# Altium PCB Power Management & Battery Monitor.PcbDoc
Units mm, origin at the board's own origin, x right, y up, seen from the top; angles counter-clockwise.
Board outline 190 x 70 mm, 4 copper layers (L1 (Signal), L2 (GND), L3 (GND), L4 (Signal)), stack 1.369 mm thick; 64 components, 30 nets, 191 pads, 66 vias.
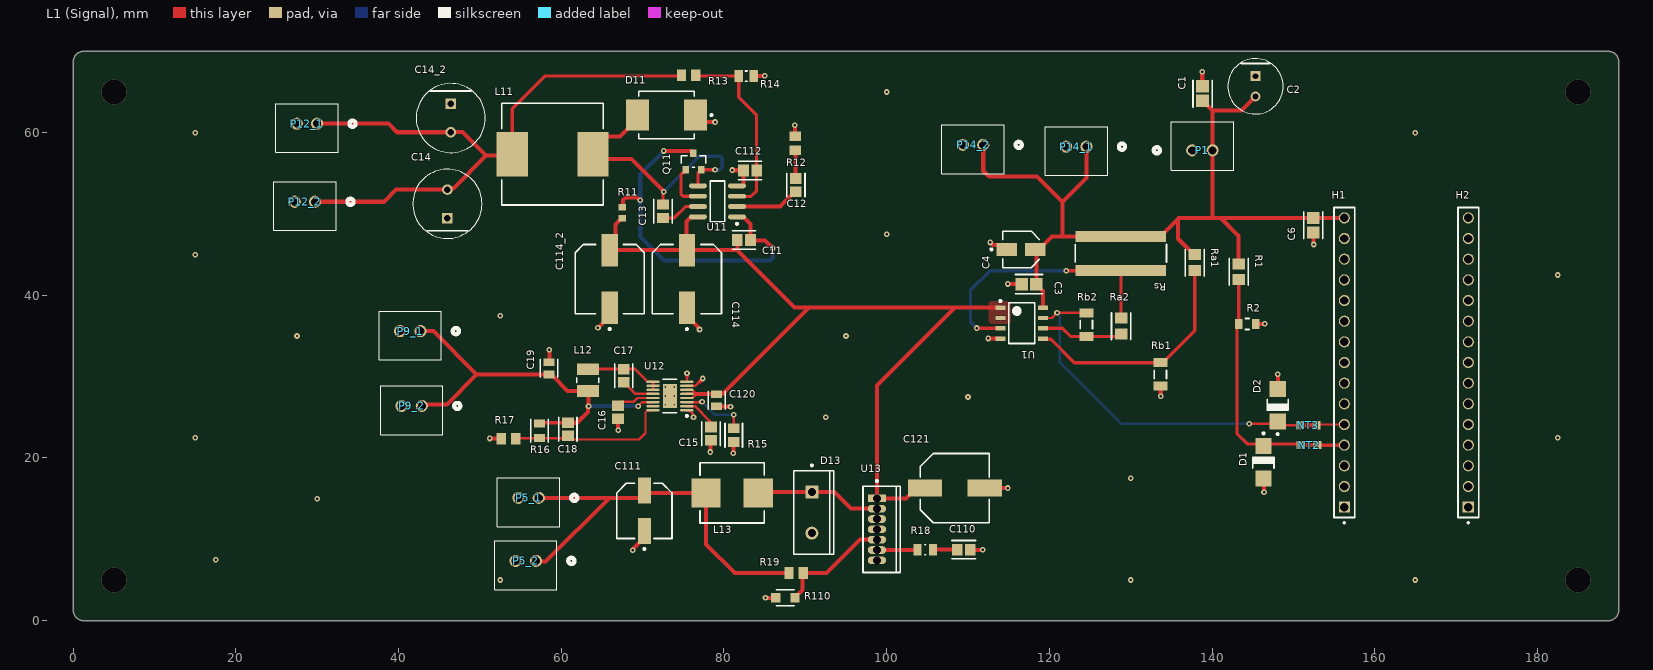
[diagram p0: L1 (Signal) view]
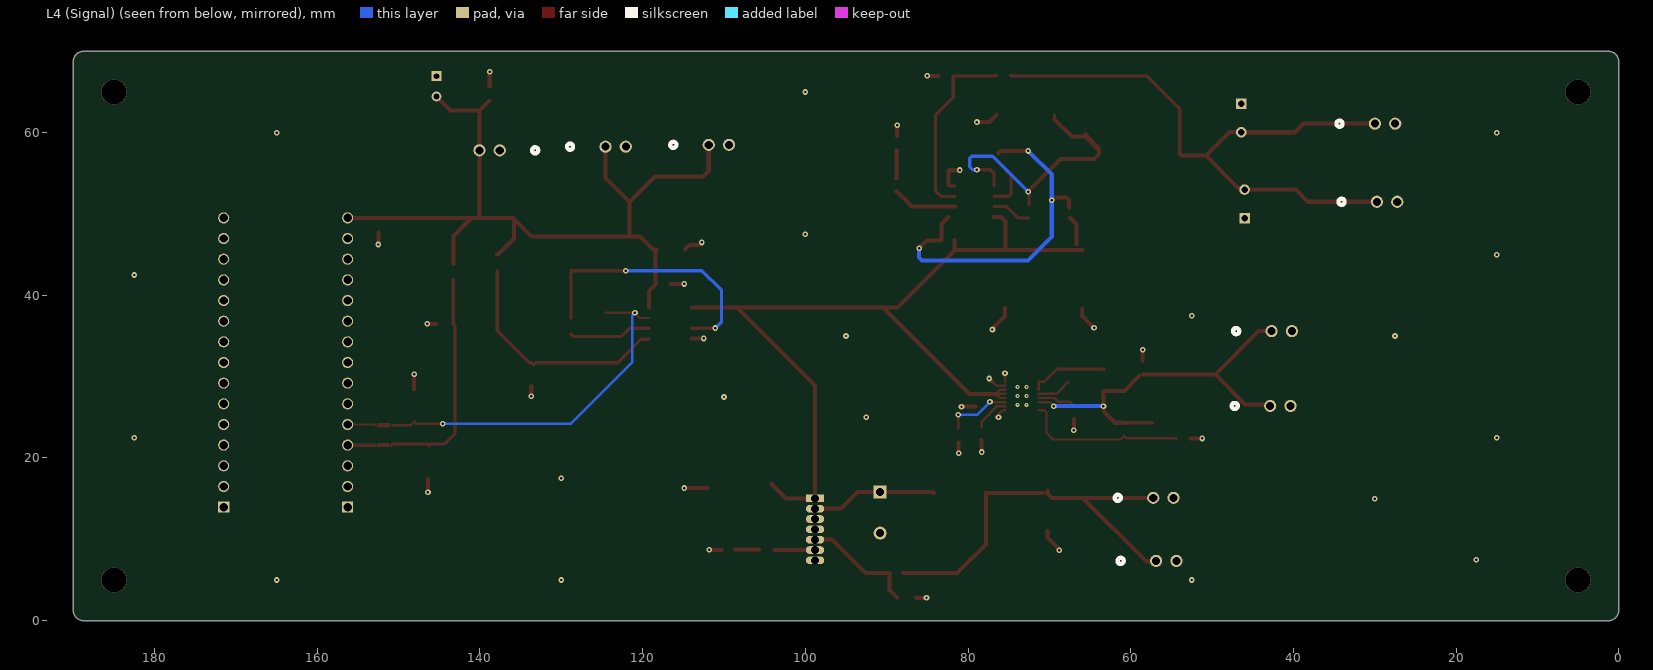
[diagram p1: L4 (Signal) view, seen from below]
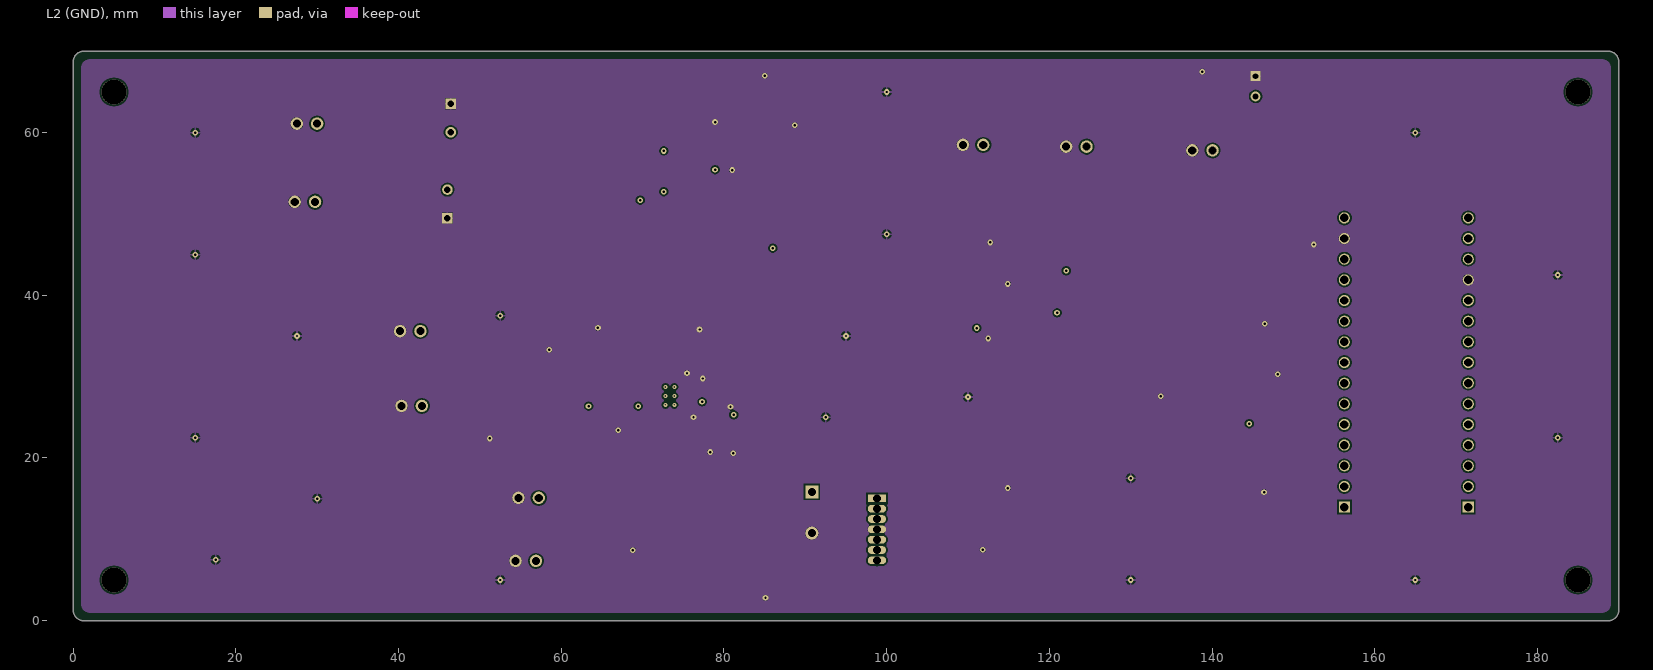
[diagram p2: L2 (GND)]
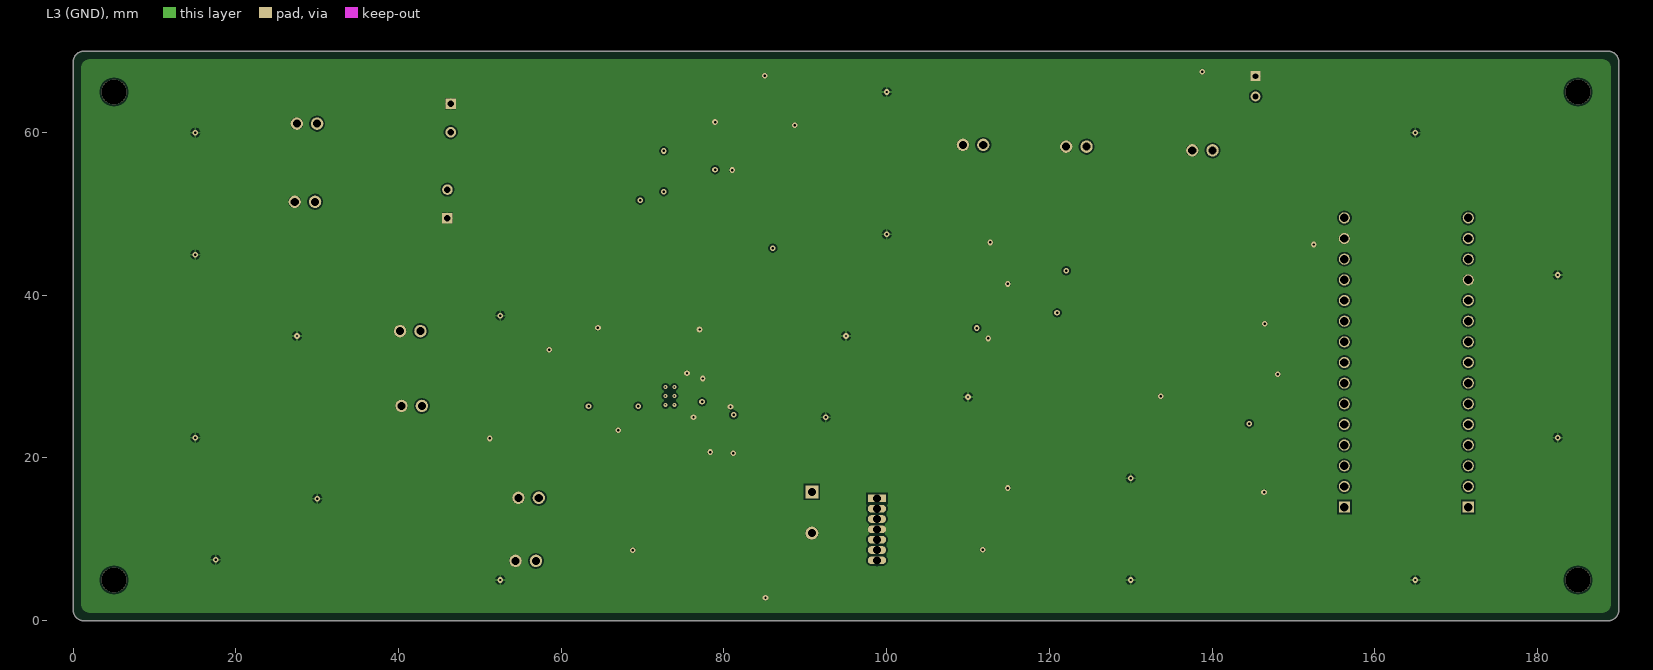
[diagram p3: L3 (GND)]
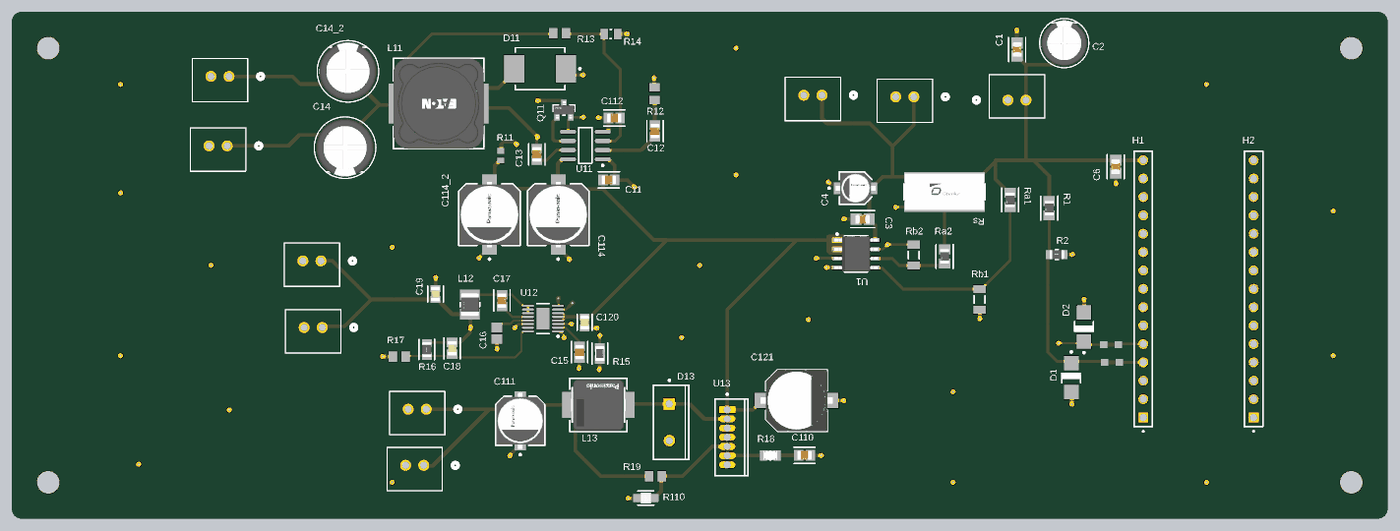
[diagram p4: 3D render of the assembled board from above, using the file's embedded part models]

## Layer stack, top to bottom
Top Solder: solder mask 0.0254, SM-001, Dk 4
L1 (Signal): signal copper 0.035
Dielectric 1: prepreg 0.1295, PP-017, Dk 4.3
Dielectric 2: prepreg 0.1295, PP-017, Dk 4.3
L2 (GND): signal copper 0.035
Dielectric 3: core 0.7112, Core-039, Dk 4.8
L3 (GND): signal copper 0.035
Dielectric 4: prepreg 0.1295, PP-017, Dk 4.3
Dielectric 5: prepreg 0.1295, PP-017, Dk 4.3
L4 (Signal): signal copper 0.035
Bottom Solder: solder mask 0.0254, SM-001, Dk 4

## Board outline
0,1.27 0,68.73 cw(c1.27,68.73) 1.27,70 188.73,70 cw(c188.73,68.73) 190,68.73 190,1.27 cw(c188.73,1.27) 188.73,0 1.27,0 cw(c1.27,1.27)

## Design rules (kind name [scope] priority, off if disabled: settings)
AssemblyTestPointUsage [All] p1: isadvanced=TRUE
AssemblyTestpoint [All] p1: isadvanced=TRUE testpointundercomponent=TRUE minsize=1.016 maxsize=2.54 preferedsize=1.524 minholesize=0 maxholesize=1.016 preferedholesize=0.813 testpointgrid=0.025 usegrid=TRUE gridtolerance=0 allowsidetop=TRUE allowsidebottom=TRUE
Clearance Clearance_1 [(ExistsOnLayer('L2 (GND)') Or ExistsOnLayer('L3 (GND)')) vs (ExistsOnLayer('L2 (GND)') Or ExistsOnLayer('L3 (GND)'))] p1: gap=0.2 ignorepadtopadclearanceinfootprint=FALSE except(0.25: Hole-Hole) sourcerule=44 cellrowname=All cellrowtype=0 cellcolname=All cellcoltype=0 innerlayers=TRUE
Clearance Clearance_2 [(ExistsOnLayer('L1 (Signal)') Or ExistsOnLayer('L4 (Signal)')) vs (ExistsOnLayer('L1 (Signal)') Or ExistsOnLayer('L4 (Signal)'))] p2: gap=0.2 ignorepadtopadclearanceinfootprint=FALSE except(0.25: Hole-Hole) sourcerule=44 cellrowname=All cellrowtype=0 cellcolname=All cellcoltype=0 outerlayers=TRUE
Clearance [All] p3: gap=0.254 ignorepadtopadclearanceinfootprint=FALSE ismatrix=TRUE
ComponentClearance [All] p1: isadvanced=TRUE gap=0.254 collisioncheckmode=3 verticalgap=0.254 showdistances=FALSE
FabricationTestPointUsage [All] p1: isadvanced=TRUE valid=0 allowmultiple=FALSE
FabricationTestpoint [All] p1: isadvanced=TRUE side=3 testpointundercomponent=TRUE minsize=1.016 maxsize=2.54 preferedsize=1.524 minholesize=0 maxholesize=1.016 preferedholesize=0.813 testpointgrid=0.025 allowsidetop=TRUE allowsidebottom=TRUE usegrid=TRUE gridtolerance=0
FanoutControl Fanout_BGA [IsBGA] p1: isadvanced=TRUE bgadir=Out bgaviamode=Centered fanoutstyle=Auto fanoutdirection=Alternating viagrid=0.025 // Fanout_BGA (Default Rule)
FanoutControl Fanout_LCC [IsLCC] p2: isadvanced=TRUE bgadir=Out bgaviamode=Centered fanoutstyle=Auto fanoutdirection=Alternating viagrid=0.025 // Fanout_LCC (Default Rule)
FanoutControl Fanout_SOIC [IsSOIC] p3: isadvanced=TRUE bgadir=Out bgaviamode=Centered fanoutstyle=Auto fanoutdirection=Alternating viagrid=0.025 // Fanout_SOIC (Default Rule)
FanoutControl Fanout_Small [(CompPinCount < 5)] p4: isadvanced=TRUE bgadir=Out bgaviamode=Centered fanoutstyle=Auto fanoutdirection=OutThenIn viagrid=0.025 // Fanout_Small (Default Rule)
FanoutControl Fanout_Default [All] p5: isadvanced=TRUE bgadir=Out bgaviamode=Centered fanoutstyle=Auto fanoutdirection=Alternating viagrid=0.025 // Fanout_Default (Default Rule)
Height [All] p1: isadvanced=TRUE minheight=0 maxheight=25.4 prefheight=12.7
HoleSize [All] p1: isadvanced=TRUE absolutevalues=TRUE maxlimit=2.54 minlimit=0.025 maxpercent=80.000 minpercent=20.000
HoleToHoleClearance [All] p1: isadvanced=TRUE gap=0.254 allowstackedmicrovias=TRUE
LayerPairs [All] p1: isadvanced=TRUE enforce=TRUE
MinimumSolderMaskSliver [All] p1: isadvanced=TRUE minsoldermaskwidth=0.1
NetAntennae [All] p1: isadvanced=TRUE netantennaetolerance=0
PasteMaskExpansion [All] p1: isadvanced=TRUE expansion=0
PlaneClearance [All] p1: isadvanced=TRUE clearance=0.508
PlaneConnect [All] p1: isadvanced=TRUE planeconnectstyle=Relief reliefexpansion=0.508 reliefentries=4 reliefconductorwidth=0.254 reliefairgap=0.254
PolygonConnect PolygonConnect_5 [All vs IsNamedPolygon('NETC17_2_L01_P032')] p1: isadvanced=TRUE thpad.connectstyle=Relief thpad.reliefconductorwidth=0.254 thpad.reliefentries=4 thpad.polygonreliefangle="90 Angle" thpad.airgapwidth=0.254 smdpad.connectstyle=Direct smdpad.reliefconductorwidth=0.254 smdpad.reliefentries=4 smdpad.polygonreliefangle="90 Angle" smdpad.airgapwidth=0.254 via.connectstyle=Relief via.reliefconductorwidth=0.254 via.reliefentries=4 via.polygonreliefangle="90 Angle" via.airgapwidth=0.254
PolygonConnect PolygonConnect_3 [All vs IsNamedPolygon('NETC17_2_L01_P032')] p2: isadvanced=TRUE thpad.connectstyle=Relief thpad.reliefconductorwidth=0.254 thpad.reliefentries=4 thpad.polygonreliefangle="90 Angle" thpad.airgapwidth=0.254 smdpad.connectstyle=Direct smdpad.reliefconductorwidth=0.254 smdpad.reliefentries=4 smdpad.polygonreliefangle="90 Angle" smdpad.airgapwidth=0.254 via.connectstyle=Relief via.reliefconductorwidth=0.254 via.reliefentries=4 via.polygonreliefangle="90 Angle" via.airgapwidth=0.254
PolygonConnect PolygonConnect_2 [All vs IsNamedPolygon('GND_L01_P028')] p3: isadvanced=TRUE thpad.connectstyle=Relief thpad.reliefconductorwidth=0.254 thpad.reliefentries=4 thpad.polygonreliefangle="90 Angle" thpad.airgapwidth=0.254 smdpad.connectstyle=Direct smdpad.reliefconductorwidth=0.254 smdpad.reliefentries=4 smdpad.polygonreliefangle="90 Angle" smdpad.airgapwidth=0.254 via.connectstyle=Relief via.reliefconductorwidth=0.254 via.reliefentries=4 via.polygonreliefangle="90 Angle" via.airgapwidth=0.254
PolygonConnect PolygonConnect_1 [All vs IsNamedPolygon('VLOAD2_L01_P027')] p4: isadvanced=TRUE thpad.connectstyle=Relief thpad.reliefconductorwidth=0.254 thpad.reliefentries=4 thpad.polygonreliefangle="90 Angle" thpad.airgapwidth=0.254 smdpad.connectstyle=Direct smdpad.reliefconductorwidth=0.254 smdpad.reliefentries=4 smdpad.polygonreliefangle="90 Angle" smdpad.airgapwidth=0.254 via.connectstyle=Relief via.reliefconductorwidth=0.254 via.reliefentries=4 via.polygonreliefangle="90 Angle" via.airgapwidth=0.254
RoutingCorners [All] p1: isadvanced=TRUE cornerstyle=45-Degree minsetback=2.54 maxsetback=2.54
RoutingPriority [All] p1: isadvanced=TRUE routingpriority=0
RoutingVias [All] p1: holewidth=0.3 width=0.7 viastyle="Through Hole" minholewidth=0.3 minwidth=0.7 maxholewidth=0.3 maxwidth=0.7
ShortCircuit [All] p1: isadvanced=TRUE allowed=FALSE
SilkToSilkClearance [All] p1: isadvanced=TRUE silktosilkclearance=0.254
SilkToSolderMaskClearance [IsPad] p1: isadvanced=TRUE minsilkscreentomaskgap=0.2 clearancetoexposedcopper=TRUE
SolderMaskExpansion [All] p1: isadvanced=TRUE expansion=0.102 istentingtop=FALSE
SupplyNets "Schematic Supply Nets_3" [InNet('GND')] p1: isadvanced=TRUE voltage=0.000
SupplyNets "Schematic Supply Nets_2" [InNet('5')] p2: isadvanced=TRUE voltage=0.000
SupplyNets "Schematic Supply Nets_1" [InNet('V_battery')] p3: isadvanced=TRUE voltage=0.000
SupplyNets "Schematic Supply Nets" [InNet('4')] p4: isadvanced=TRUE voltage=0.000
UnRoutedNet [All] p1: isadvanced=TRUE
UnpouredPolygon [All] p1: isadvanced=TRUE
Width "Schematic Width Constraint" [InNetClass('Power')] p1: maxlimit=0.5 minlimit=0.25 preferedwidth=0.5 midlayer1_minwidth=0.254 midlayer1_maxwidth=0.254 midlayer1_prefwidth=0.254 midlayer2_minwidth=0.254 midlayer2_maxwidth=0.254 midlayer2_prefwidth=0.254 minimp=50.000000 maximp=50.000000 favimp=50.000000
Width [All] p2: maxlimit=0.5 minlimit=0.2 preferedwidth=0.3 midlayer1_minwidth=0.254 midlayer1_maxwidth=0.254 midlayer1_prefwidth=0.254 midlayer2_minwidth=0.254 midlayer2_maxwidth=0.254 midlayer2_prefwidth=0.254 minimp=50.000000 maximp=50.000000 favimp=50.000000
4 further rules are at their usual default settings.

## Classes and differential pairs
net class Power: 5V_out 9V_out 12V_out GND Vload2
component class "Power Management & Battery Monitor": C1 C2 C3 C4 C6 D1 D2 H1 H2 NT2 NT3 P1 P14_1 P14_2 R1 R2 Ra1 Ra2 Rb1 Rb2 Rs U1
component class "Power Distribution": C11 C12 C13 C14 C14_2 C15 C16 C17 C18 C19 C110 C111 C112 C114 C114_2 C120 C121 D11 D13 L11 L12 L13 P5_1 P5_2 P9_1 P9_2 P12_1 P12_2 Q11 R11 R12 R13 R14 R15 R16 R17 R18 R19 R110 U11 U12 U13

## Components (designator, comment, footprint, x,y, rotation, side; value= is the part's Value field where it differs from the comment)
C1 "CC0805KRX7R8BB104" FP-CC0805-0_85-IPC_A 138.84,64.81 r90 top value=100nF
C2 "EEU-FR1E101B" FP-RAD-TH-D_6_3_0_5-L_11-MFG 145.35,65.7 r270 top value=100uF
C3 "CC0805KRX7R8BB104" FP-CC0805-0_85-IPC_A 117.499,41.375 r180 top value=100nF
C4 "EEE-FK1E100R" FP-FKB-MFG 116.525,45.65 r0 top value=10uF
C6 "CC0805KRX7R8BB104" FP-CC0805-0_85-IPC_A 152.46,48.619 r270 top value=100nF
C11 "08055C102KAT2A" FP-0805-L_2_01_0_2-W_1_25-IPC_B 82.45,46.8 r0 top
C12 "08055C471KAT2A" FP-0805-L_2_01_0_2-W_1_25-IPC_B 88.825,53.556 r90 top
C13 "GRM21BR60J107ME15L" FP-GRM21B-0_2-e0_2_0_7-IPC_B 72.5,50.324 r90 top
C14 "EEUFR1H101" FP-RAD-TH-D_8_0_5-L_11_5-MFG 46,51.25 r90 top
C14_2 "EEUFR1H101" FP-RAD-TH-D_8_0_5-L_11_5-MFG 46.4,61.8 r270 top
C15 "08055C102KAT2A" FP-0805-L_2_01_0_2-W_1_25-IPC_B 78.4,23 r90 top
C16 "C0805C105K5RACTU" CAPC2013X140X50NL20T25 66.975,25.6 r90 top value=1uF
C17 "08051C104KAT2A" FP-0805-L_2_01_0_2-W_1_25-IPC_B 67.675,30.125 r90 top
C18 "C0805C100J5GACTU" FP-C0805C-DN-IPC_B 60.8,23.524 r270 top value="10 pF"
C19 "C0805C470J1GACTU" FP-C0805C-DN-MFG 58.5,31.025 r90 top value="47 pF"
C110 "08051C104KAT2A" FP-0805-L_2_01_0_2-W_1_25-IPC_B 109.475,8.725 r0 top
C111 "EEEFK0J331XP" FP-FKD8-MFG 70.2,13.5 r90 top
C112 "08051A101JAT2A" FP-0805-L_2_01_0_2-W_1_25-IPC_B 83.2,55.35 r180 top
C114 "EEE-FK2A220P" FP-FKF-MFG 65.95,42 r90 top value=22uF
C114_2 "EEE-FK2A220P" FP-FKF-MFG 75.45,42 r90 top value=22uF
C120 "C0805C475K8PACTU" FP-C0805C475K8PACTU-MFG 79.1,27.1 r270 top
C121 "EEE-FK1E221P" PNSC-EEE-FK1E221P_N 108.375,16.3 r0 top value=220uF
D1 "1SMA5918BT3G" ONSC-SMA-2-403D-02_F_V 146.325,19.475 r270 top
D2 "1SMA5918BT3G" ONSC-SMA-2-403D-02_F_V 148.075,26.475 r90 top
D11 "MBRS340T3G" ONSC-SMC-2-403-03_V 72.931,62.15 r180 top
D13 "MBR745" ONSC-TO-220-2-221B-04_E 90.8,13.3 r0 top
H1 "PPTC151LFBN-RC" SAMTEC_DW-15-12-G-S-807 156.27,13.96 r90 top
H2 "PPTC151LFBN-RC" SAMTEC_DW-15-12-G-S-807 171.51,13.96 r90 top
L11 "DR127-470-R" FP-DR127-MFG 58.925,57.35 r180 top
L12 "CBC3225T100MR" FP-CB3225-IPC_B 63.25,29.574 r270 top
L13 "ETQ-P5M470YFM" FP-PCC-M0754M-MFG 81,15.7 r180 top value=48uH
NT2 "NetTie_SMD" NetTie_SMD 151.925,21.575 r0 top net-tie
NT3 "NetTie_SMD" NetTie_SMD 151.816,24.025 r0 top net-tie
P1 "Connector" CONN_B2B-XH-A_JST 137.57,57.825 r0 top
P5_1 "Connector" CONN_B2B-XH-A_JST 57.225,15.1 r180 top
P5_2 "Connector" CONN_B2B-XH-A_JST 56.875,7.35 r180 top
P9_1 "Connector" CONN_B2B-XH-A_JST 42.675,35.6 r180 top
P9_2 "Connector" CONN_B2B-XH-A_JST 42.85,26.4 r180 top
P12_1 "Connector" CONN_B2B-XH-A_JST 29.975,61.1 r180 top
P12_2 "Connector" CONN_B2B-XH-A_JST 29.725,51.5 r180 top
P14_1 "Connector" CONN_B2B-XH-A_JST 124.575,58.275 r180 top
P14_2 "Connector" CONN_B2B-XH-A_JST 111.875,58.5 r180 top
Q11 "DMN3404L-7" FP-SOT23-MFG 76.25,56.45 r90 top
R1 "RG2012P-124-B-T5" FP-RG2012-IPC_A 143.275,42.901 r270 top value=120kR
R2 "RC0805FR-0722KL" FP-RC0805-0_6-MFG 144.325,36.475 r0 top value=22kR
R11 "ERJ3BWFR068V" RESC1608X55X30NL15T15 67.5,50.15 r90 top value=68m
R12 "ERJ-6GEYJ682V" RESC2013X70X40NL20T20 88.75,58.7 r270 top
R13 "ERJ-6ENF3572V" RESC2013X70X40NL20T20 75.648,67.054 r180 top value=35k7
R14 "CRCW08053K92FKEA" RESC2013X50X30NL20T20 82.725,66.95 r180 top value=3k92
R15 "ERA-6AEB104V" FP-ERA6A-IPC_B 81.2,22.8 r90 top
R16 "RC0805FR-07100KL" FP-RC0805-0_6-IPC_B 57.3,23.348 r90 top
R17 "ERJ-6ENF1243V" RESC2013X70X40NL20T20 53.5,22.375 r0 top value=124k
R18 "CRCW08052K00FKEA" FP-CRCW0805-e3-IPC_B 104.749,8.725 r0 top
R19 "ERJ-6ENF2801V" RESC2013X70X40NL20T20 88.875,5.85 r180 top value=2.8k
R110 "ERJ-6ENF2211V" FP-ERJ6EN-MFG 87.55,2.825 r0 top
Ra1 "RG2012P-124-B-T5" FP-RG2012-IPC_A 137.875,44.025 r270 top value=120kR
Ra2 "RG2012P-124-B-T5" FP-RG2012-IPC_A 128.825,36.225 r270 top value=120kR
Rb1 "CRCW12063M00FKEA" RESC3216X60X45NL10T20 133.65,30.275 r270 top value=3MR
Rb2 "CRCW12063M00FKEA" RESC3216X60X45NL10T20 124.55,36.4 r90 top value=3MR
Rs "FCSL110R010FER" FP-FCSL110-0R002-0R100-IPC_C 128.8,45.15 r270 top value=0.01R
U1 "OPA2192IDR" D0008A_L 116.6,36.575 r0 top
U11 "LTC1624CS8#PBF" LT-S8-8_N 79.2,51.55 r180 top
U12 "LT8610IMSE#PBF" LT-MSE-16-EDP_N 73.35,27.625 r180 top
U13 "LT1074IT7#PBF" LT-T7-7-S_V 98.8,11.225 r0 top

## Footprints (in the part's own frame and the unit in brackets; to place one, negate y for a bottom-side part, rotate by r counter-clockwise, add the part's x,y. Pads: shape width x height; smd on the part's side, far side on the other; paste and mask are expansions set on the pad)
CAPC2013X140X50NL20T25 [mm] "Chip Capacitor, 2-Leads, Body 2.00x1.25mm, IPC Medium Density"
  rect 1.3x1.45 smd: 1(-0.8,0) 2(0.8,0)
  body extent -1.1,-0.72 1.1,0.72, height 1.4
CONN_B2B-XH-A_JST [mil]
  round 59 / inner round 60 / far side round 59 hole 39 paste-99999 mask+0: 1(0,0) 2(98.43,0)
  silkscreen extent -186,-97 200,139
D0008A_L [mm] "SOIC, 8-Leads, Body 5x4mm, Pitch 1.27mm, IPC High Density"
  rrect18% 1.25x0.55 smd: 1(-2.625,1.905) 2(-2.625,0.635) 3(-2.625,-0.635) 4(-2.625,-1.905) 5(2.625,-1.905) 6(2.625,-0.635) 7(2.625,0.635) 8(2.625,1.905)
  silkscreen extent -2.75,-2.5 1.6,2.85, body extent -3,-2.45 3,2.45, height 1.63
FP-0805-L_2_01_0_2-W_1_25-IPC_B [mm]
  rect 1.305x1.456 smd paste+0 mask+0: 1(-0.806,0) 2(0.806,0)
  silkscreen extent -1.46,-1.13 1.46,1.13, body extent -1.71,-0.98 1.71,0.98, height 0.25
FP-C0805C475K8PACTU-MFG [mm]
  rect 0.95x1.35 smd paste+0 mask+0: 1(-0.75,0) 2(0.75,0)
  silkscreen extent -1.1,-1.05 1.1,1.05, body extent -1.4,-0.85 1.4,0.85, height 0.25
FP-C0805C-DN-IPC_B [mm]
  rect 1.305x1.456 smd paste+0 mask+0: 1(-0.801,0) 2(0.801,0)
  silkscreen extent -1.45,-1.13 1.45,1.13, body extent -1.7,-0.98 1.7,0.98, height 0.25
FP-C0805C-DN-MFG [mm]
  rect 0.95x1.35 smd paste+0 mask+0: 1(-0.75,0) 2(0.75,0)
  silkscreen extent -1.1,-1.07 1.1,1.07, body extent -1.4,-0.85 1.4,0.85, height 0.25
FP-CB3225-IPC_B [mm]
  rect 1.454x2.706 smd paste+0 mask+0: 1(-1.326,0) 2(1.326,0)
  silkscreen extent -0.3,-1.35 0.3,1.35, body extent -2.3,-1.6 2.3,1.6, height 0.25
FP-CC0805-0_85-IPC_A [mm]
  rect 1.505x1.556 smd paste+0 mask+0: 1(-0.901,0) 2(0.901,0)
  silkscreen extent -1.65,-1.18 1.65,1.18, body extent -2.15,-1.28 2.15,1.28, height 0.25
FP-CRCW0805-e3-IPC_B [mm]
  rect 1.007x1.408 smd paste+0 mask+0: 1(-0.951,0) 2(0.951,0)
  silkscreen extent -0.07,-0.63 0.07,0.63, body extent -1.7,-0.95 1.7,0.95, height 0.25
FP-DR127-MFG [mm]
  rect 3.85x5.5 smd paste+0 mask+0: 1(-4.975,0) 2(4.975,0)
  silkscreen extent -6.25,-6.25 6.25,6.25, body extent -7,-6.35 7,6.35, height 0.25
FP-ERA6A-IPC_B [mm]
  rect 1.205x1.362 smd paste+0 mask+0: 1(-0.851,0) 2(0.851,0)
  silkscreen extent -1.45,-1.08 1.45,1.08, body extent -1.7,-0.93 1.7,0.93, height 0.25
FP-ERJ6EN-MFG [mm]
  rect 1.15x1.15 smd paste+0 mask+0: 1(-1.175,0) 2(1.175,0)
  silkscreen extent -1.1,-0.97 1.1,0.97, body extent -1.85,-0.77 1.85,0.77, height 0.25
FP-FCSL110-0R002-0R100-IPC_C [mm]
  rect 1.355x11.106 smd paste+0 mask+0: 1(-2.076,0) 2(2.076,0)
  silkscreen extent -1.1,-5.6 1.1,5.6, body extent -2.85,-5.7 2.85,5.7, height 0.25
FP-FKB-MFG [mm]
  rect 2.5x1.6 smd paste+0 mask+0: 1(-1.75,0) 2(1.75,0)
  silkscreen extent -3.77,-2.25 2.25,2.25, body extent -3.25,-2.5 3.25,2.5, height 0.25
FP-FKD8-MFG [mm]
  rect 3.2x1.6 smd paste+0 mask+0: 1(-2.5,0) 2(2.5,0)
  silkscreen extent -4.8,-3.4 3.4,3.4, body extent -4.35,-3.65 4.35,3.65, height 0.25
FP-FKF-MFG [mm]
  rect 4x2 smd paste+0 mask+0: 1(-3.55,0) 2(3.55,0)
  silkscreen extent -6.27,-4.25 4.25,4.25, body extent -5.8,-4.5 5.8,4.5, height 0.25
FP-GRM21B-0_2-e0_2_0_7-IPC_B [mm]
  rect 1.255x1.456 smd paste+0 mask+0: 1(-0.826,0) 2(0.826,0)